# Altium PCB 75200_ctrl_407_v3.0.PcbDoc (part 2 of 2)
Units mil, origin at the board's own origin, x right, y up, seen from the top; angles counter-clockwise.
Board outline 3632.23 x 2372.43 mil, 4 copper layers (Top Layer, Signal Layer 1, Signal Layer 2, Bottom Layer), stack 30.634 mil thick; 152 components, 97 nets, 611 pads, 806 vias.
Unrouted connection lines stored in the file: 6.
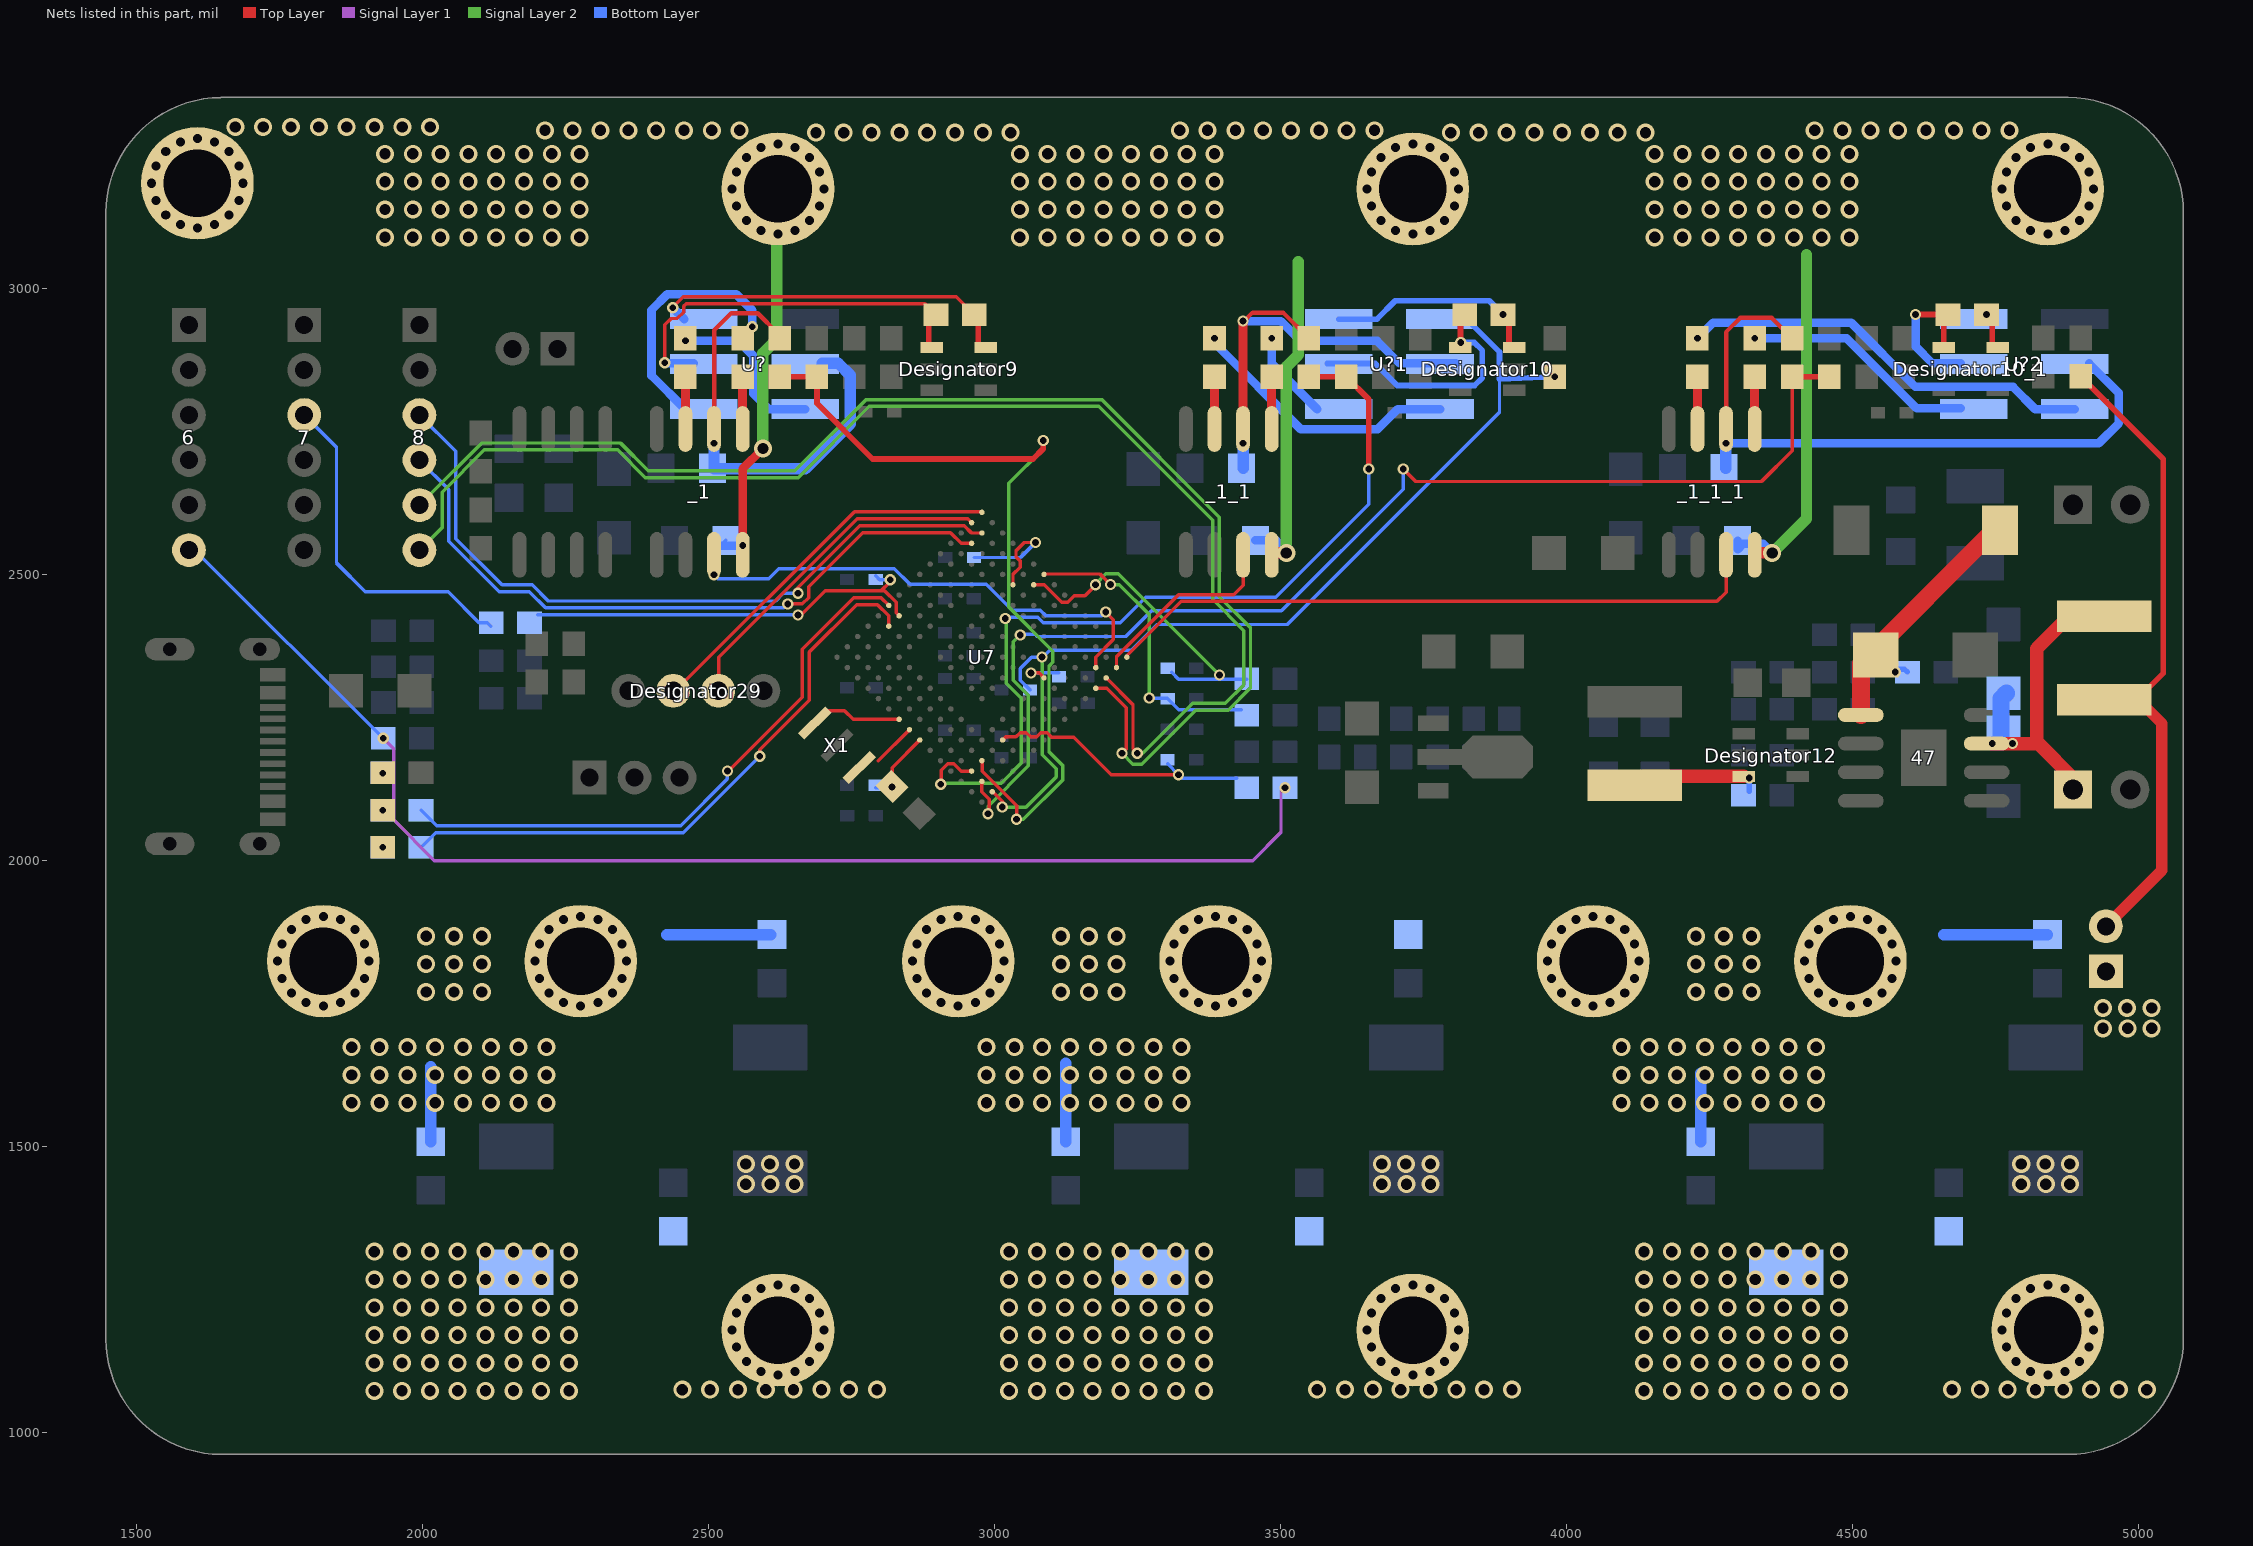
[diagram p4: the nets of this part, all layers, seen from the top]

## Via types
v1: diameter 31.5, hole 19.68, Top Layer to Bottom Layer, 453 vias
v2: diameter 19.68, hole 15.75, Top Layer to Bottom Layer, 208 vias
v3: diameter 19.68, hole 11.81, Top Layer to Bottom Layer, 145 vias

## Nets (pads, with @x,y where several pads share a name; then routed paths per layer and width w, separated by ;. In a path a pad name is that pad's centre, name@x,y a point inside that pad or via, vN(x,y) a via of type N, cw(c..) or ccw(c..) an arc to the next point about the centre after c; other vN are vias at no path point) (continued)
hall2: 38_1.2 Designator45.1 U7.G15 | length 529
  Top Layer w6: U7.G15@3086.95,2500.76 3087.7,2501.51 3184.8,2501.51 3195.84,2490.47 3195.84,2490.16 v3(3203,2483)
  Signal Layer 2 w6: v3(3203,2483) 3218.66,2483 3271,2430.66 v3(3271,2284.5)
  Bottom Layer w6: v3(3271,2284.5) 3302.2,2284.5 Designator45.1@3303.04,2283.67 3322.57,2264.13 38_1.2@3431.53,2264.13
hall3: 39_1.2 Designator43.1 U7.G14 | length 575.9
  Top Layer w6: U7.G14@3068.86,2482.67 3087.02,2482.67 3117.86,2451.82 3128.43,2451.82 3140.1,2463.5 3158.65,2463.5 3177,2481.85 v3(3177,2482.67)
  Signal Layer 2 w6: v3(3177,2482.67) 3177,2483.65 3195.2,2501.84 3216.78,2501.84 v3(3393.63,2325)
  Bottom Layer w6: Designator43.1@3310.04,2329.8 3322.04,2317.8 v3@3393.63,2317.8 ; v3(3393.63,2325) v3@3393.63,2317.8 ; 39_1.2@3441.2,2317.8 v3@3393.63,2317.8
L1: _1.3 U7.P13 | length 882.6
  Top Layer w6: U7.P13@3177.43,2337.91 3177.43,2356.06 3208.27,2386.91 3208.27,2421.73 v3(3195,2435)
  Top Layer w7.87: v3(2510,2500) _1.3@2510,2535
  Bottom Layer w6: v3(2510,2500) 2516.84,2493.16 2605.47,2493.16 2623.13,2510.82 2825.33,2510.82 2852.65,2483.5 2985.65,2483.5 3031.3,2437.84 3080.72,2437.84 3090.4,2428.16 3188.16,2428.16 v3(3195,2435)
L2: _1_1.3 U7.R14 | length 345.4
  Top Layer w6: U7.R14@3213.62,2337.9 3213.62,2357.13 3322.06,2465.57 3418.75,2465.57 3435,2481.82 _1_1.3@3435,2535
L3: _1_1_1.3 U7.R15 | length 1161.6
  Top Layer w6: U7.R15@3231.72,2356 3231.71,2358.25 3327.03,2453.57 4263.57,2453.57 4279.41,2469.41 _1_1_1.3@4279.41,2535
ledb: 3.1@1931,2153.61 3_1.1@1931,2153.61 44.1
  other v3: 1931,2153
ledg: 4.1 4_1.1 43.1
  other v3: 1931,2088.61
ledgreen: 43.2 U7.A6 | length 1062.4
  Top Layer w6: v3@2530.62,2151.94 2664.5,2285.82 2664.5,2370.12 2754.38,2460 2802,2460 U7.A6@2815.52,2446.48
  Bottom Layer w6: 43.2@1997.93,2088.61 2025.4,2061.13 2451.53,2061.13 2533.5,2143.1 v3(2533.5,2157.13)
ledr: 5.1@1931,2023.61 5_1.1@1931,2023.61 42.1
  other v3: 1931,2023.61
ledred: 42.2 U7.B5 | length 1075.8
  Top Layer w6: v3(2590,2182.63) 2590,2194.35 2676.5,2280.85 2676.5,2365.15 2759.35,2448 2795.84,2448 2815.52,2428.32 U7.B5@2815.52,2410.29
  Bottom Layer w6: 42.2@1997.93,2023.61 2023.45,2049.13 2456.51,2049.13 v3(2590,2182.63)
nrf_rx: 8.4 U7.B13 | length 1199.1
  Top Layer w6: v3(2639,2449.13) 2664.61,2449.13 2675.65,2460.17 2675.65,2479.52 2770.02,2573.89 2923.41,2573.89 2942.25,2555.05 U7.B13@2960.29,2555.05
  Bottom Layer w6: 8.4@1995,2700.69 2046.5,2649.19 2046.5,2558.42 2134.28,2470.63 2187.05,2470.63 2215.4,2442.29 2632.16,2442.29 v3(2639,2449.13)
nrf_tx: 8.3 U7.B14 | length 1274.3
  Top Layer w6: v3@2652,2468.56 2652,2472.84 2765.05,2585.89 2947.47,2585.89 2960.22,2573.14 U7.B14@2978.38,2573.14
  Bottom Layer w6: 8.3@1995,2779.43 2058.5,2715.93 2058.5,2563.39 2139.26,2482.63 2192.02,2482.63 2220.37,2454.29 2617.51,2454.29 2631.2,2467.98 v3(2656.81,2467.98)
nrst: 32.2 Designator47.1 U7.J1 | length 131.2
  Top Layer w6: 32.2@2821.34,2130 2821.34,2162.76 U7.J1@2869.81,2211.24
  Bottom Layer w6: Designator47.1@2792.5,2128.05 v3@2821.34,2128.05
  Bottom Layer w9: v3@2821.34,2128.05 v3(2821.34,2129.12)
pc6: 
pc7: 
pc8: 
PGND: 30.1 31.1 34.1 _1.4 _1_1.4 _1_1_1.4 _1_6.2@2530.74,2560.15 _1_7.2@3456.33,2560.15 _1_8.2@4299.74,2559.91 Designator9.3 Designator10.3 Designator10_1.3 pad.4@1606.85,3184.64 pad.4@2621.85,3174.64 pad.4@3731.85,3174.64 pad.4@4841.85,3174.64 U?1.2 U?2.2 U?.2 | length 4518.5
  Top Layer w6: v3@2437.49,2967.65 2456.11,2986.27 2933.82,2986.27 30.1@2965.09,2955
  Top Layer w10: 30.1@2965.09,2955 2971.92,2948.17 Designator9.3@2971.92,2897.4 ; Designator10.3@3900,2900 31.1@3900,2955 ; v3(4734.58,2955) 4745,2944.58 Designator10_1.3@4745,2900 ; pad.4@1669.85,3184.64 ccw(c1606.85,3184.64) pad.4@1669.85,3184.64 ; pad.4@2684.85,3174.64 ccw(c2621.85,3174.64) pad.4@2684.85,3174.64 ; pad.4@3794.85,3174.64 ccw(c3731.85,3174.64) pad.4@3794.85,3174.64 ; pad.4@4904.85,3174.64 ccw(c4841.85,3174.64) pad.4@4904.85,3174.64
  Top Layer w15: v3(2560.36,2551.08) 2560.36,2685.14 2560,2685.5 v1(2595.5,2721)
  Top Layer w20: _1_1.4@3488.24,2538.24 v1(3510.59,2538.24) v1@3515.59,2538.24 ; _1_1_1.4@4332.65,2538.24 v1(4360,2538.24)
  Signal Layer 2 w20: v1(2595.5,2721) 2595.5,2887.47 2620,2911.97 pad.4@2620,3079.5 ; v1@3510.59,2538.81 3510.59,2863.59 3531.5,2884.5 3531.5,3047.5 ; v1(4360,2538.24) 4420,2598.24 4420,3059.5
  Bottom Layer w6: _1_6.2@2521.67,2551.08 _1_6.2@2530.74,2560.15
  Bottom Layer w10: U?1.2@3602.09,2947.08 3668.95,2947.08 3701,2979.13 3865.44,2979.13 v3(3889.58,2955)
  Bottom Layer w15: v3(2438,2967.13) U?.2@2458.05,2947.08 ; _1_6.2@2521.67,2551.08 v3(2560.36,2551.08) ; _1_7.2@3456.33,2560.15 3493.09,2560.15 v1@3510.59,2538.81 ; _1_8.2@4299.74,2559.91 4299.74,2544.76 4308.98,2554 4344.24,2554 v1(4360,2538.24)
  other v1: 2565.5,1434.63 2608.5,1434.63 2650.5,1434.63 3677.5,1434.63 3720.5,1434.63 3762.5,1434.63 4795.5,1434.63 4838.5,1434.63 4880.5,1434.63 2565.5,1470.13 2607.5,1470.13 2650.5,1470.13 3677.5,1470.13 3719.5,1470.13 3762.5,1470.13 4795.5,1470.13 4837.5,1470.13 4880.5,1470.13 1934.65,3090.2 1983.29,3090.2 2031.93,3090.2 2080.57,3090.2 2129.22,3090.2 2177.86,3090.2 2226.5,3090.2 2275.15,3090.2 3044.65,3090.2 3093.29,3090.2 3141.93,3090.2 3190.57,3090.2 3239.22,3090.2 3287.86,3090.2 3336.5,3090.2 3385.15,3090.2 4154.65,3090.2 4203.29,3090.2 4251.93,3090.2 4300.57,3090.2 4349.22,3090.2 4397.86,3090.2 4446.5,3090.2 4495.15,3090.2 1934.65,3138.84 1983.29,3138.84 2031.93,3138.84 2080.57,3138.84 2129.22,3138.84 2177.86,3138.84 2226.5,3138.84 2275.15,3138.84 3044.65,3138.84 3093.29,3138.84 3141.93,3138.84 3190.57,3138.84 3239.22,3138.84 3287.86,3138.84 3336.5,3138.84 3385.15,3138.84 4154.65,3138.84 4203.29,3138.84 4251.93,3138.84 4300.57,3138.84 4349.22,3138.84 4397.86,3138.84 4446.5,3138.84 4495.15,3138.84 1934.65,3187.48 1983.29,3187.48 2031.93,3187.48 2080.57,3187.48 2129.22,3187.48 2177.86,3187.48 2226.5,3187.48 2275.15,3187.48 3044.65,3187.48 3093.29,3187.48 3141.93,3187.48 3190.57,3187.48 3239.22,3187.48 3287.86,3187.48 3336.5,3187.48 3385.15,3187.48 4154.65,3187.48 4203.29,3187.48 4251.93,3187.48 4300.57,3187.48 4349.22,3187.48 4397.86,3187.48 4446.5,3187.48 4495.15,3187.48 1934.65,3236.12 1983.29,3236.12 2031.93,3236.12 2080.57,3236.12 2129.22,3236.12 2177.86,3236.12 2226.5,3236.12 2275.15,3236.12 3044.65,3236.12 3093.29,3236.12 3141.93,3236.12 3190.57,3236.12 3239.22,3236.12 3287.86,3236.12 3336.5,3236.12 3385.15,3236.12 4154.65,3236.12 4203.29,3236.12 4251.93,3236.12 4300.57,3236.12 4349.22,3236.12 4397.86,3236.12 4446.5,3236.12 4495.15,3236.12 2688.15,3273.12 2736.79,3273.12 2785.43,3273.12 2834.07,3273.12 2882.72,3273.12 2931.36,3273.12 2980,3273.12 3028.65,3273.12 3798.15,3273.12 3846.79,3273.12 3895.43,3273.12 3944.07,3273.12 3992.72,3273.12 4041.36,3273.12 4090,3273.12 4138.65,3273.12 2214.29,3277.11 2262.94,3277.11 2311.58,3277.11 2360.22,3277.11 2408.86,3277.11 2457.51,3277.11 2506.15,3277.11 2554.79,3277.11 3324.29,3277.11 3372.94,3277.11 3421.58,3277.11 3470.22,3277.11 3518.86,3277.11 3567.51,3277.11 3616.15,3277.11 3664.79,3277.11 4434.29,3277.11 4482.94,3277.11 4531.58,3277.11 4580.22,3277.11 4628.86,3277.11 4677.51,3277.11 4726.15,3277.11 4774.79,3277.11 1673.15,3283.12 1721.79,3283.12 1770.43,3283.12 1819.07,3283.12 1867.72,3283.12 1916.36,3283.12 1965,3283.12 2013.65,3283.12
  other v2: 2621.85,3096.27 3731.85,3096.27 4841.85,3096.27 2591.86,3102.24 2651.84,3102.24 3701.86,3102.24 3761.84,3102.24 4811.86,3102.24 4871.84,3102.24 1606.85,3106.27 1576.86,3112.24 1636.84,3112.24 2566.44,3119.23 2677.27,3119.23 3676.44,3119.23 3787.27,3119.23 4786.44,3119.23 4897.27,3119.23 1551.44,3129.23 1662.27,3129.23 2549.45,3144.65 2694.26,3144.65 3659.45,3144.65 3804.26,3144.65 4769.45,3144.65 4914.26,3144.65 1534.45,3154.65 1679.26,3154.65 2541.85,3174.64 2701.85,3174.64 3651.85,3174.64 3811.85,3174.64 4761.85,3174.64 4921.85,3174.64 1526.85,3184.64 1686.85,3184.64 2549.45,3204.63 2694.26,3204.63 3659.45,3204.63 3804.26,3204.63 4769.45,3204.63 4914.26,3204.63 1534.45,3214.63 1679.26,3214.63 2566.44,3230.06 2677.27,3230.06 3676.44,3230.06 3787.27,3230.06 4786.44,3230.06 4897.27,3230.06 1551.44,3240.06 1662.27,3240.06 2591.86,3247.05 2651.84,3247.05 3701.86,3247.05 3761.84,3247.05 4811.86,3247.05 4871.84,3247.05 2621.85,3253.01 3731.85,3253.01 4841.85,3253.01 1576.86,3257.05 1636.84,3257.05 1606.85,3263.01
ppm: 7.3 51.1 | length 597.7
  Bottom Layer w6: 7.3@1793.5,2779.43 1850,2722.93 1850,2520.65 1900.42,2470.23 2045,2470.23 2099.07,2416.16 2113.69,2416.16 51.1@2119.71,2410.13
rc1: U7.G1 X1.3 | length 162.7
  Top Layer w6: X1.3@2707.47,2262.4 2738.1,2262.4 2753.07,2247.43 U7.G1@2833.62,2247.43
  Top Layer w7.87: X1.3@2686.03,2240.95 X1.3@2707.47,2262.4
rc2: U7.H1 X1.1 | length 76.8
  Top Layer w6: 2797.38,2175 U7.H1@2851.72,2229.33
rx: 8.6 U7.R13 | length 2352.6
  Top Layer w6: U7.R13@3195.52,2319.81 3242.5,2272.83 3242.5,2195.5 v3(3250,2188)
  Signal Layer 2 w6: 8.6@2003.49,2536.65 2010.05,2543.21 2010.05,2558.26 2034.5,2582.71 2034.5,2644.48 2108.52,2718.5 2341.5,2718.5 2390.05,2669.95 2657.05,2669.95 2781.6,2794.5 3182.66,2794.5 3381.63,2595.53 3381.63,2456.98 3436,2402.61 3436,2307.47 3404.03,2275.5 3347.18,2275.5 3260.68,2189 v3@3250,2189
S1: 7.1@2625,2846.54 8.1@2690,2846.54 U7.N3 | length 1473.7
  Top Layer w6: U7.N3@2978.38,2175.05 2978.91,2175.58 2978.91,2156.49 3039,2096.4 v3(3039,2072.5)
  Top Layer w10: 7.1@2625,2846.54 8.1@2690,2846.54 2690,2800 2787.34,2702.66 3067.6,2702.66 3085.5,2720.56 v3(3085.5,2735)
  Signal Layer 2 w6: v3(3039,2072.5) 3050.97,2072.5 3120.07,2141.6 3120.07,2166.04 3095.63,2190.49 3095.63,2340.53 3102.47,2347.38 3102.47,2366.68 3025.3,2443.84 3025.3,2659.8 3085.5,2720 v3(3085.5,2735) ; v3@3089.15,2732.5 v3@3092,2732.5
S2: 9.1 10.1 U7.N2 | length 1538.9
  Top Layer w6: v3(2906.61,2134) 2907.16,2134.55 2907.16,2158.05 2918.81,2169.7 2929.38,2169.7 2942.13,2156.95 U7.N2@2960.29,2156.95
  Top Layer w10: 9.1@3550,2846.54 10.1@3615,2846.54 3654.69,2806.85 v3(3654.69,2685)
  Signal Layer 2 w6: v3(2906.61,2134) 2908.45,2135.84 3012.28,2135.84 3047.5,2171.06 3047.5,2284.41 3021.16,2310.75 3021.16,2421.34 v3(3019,2423.5)
  Bottom Layer w6: v3(3019,2423.5) 3021.34,2425.84 3075.75,2425.84 3085.43,2416.16 3219.92,2416.16 3264.92,2461.16 3492.22,2461.16 3654.69,2623.63 v3(3654.69,2685)
S3: 11.1 12.1 U7.P2 | length 2136
  Top Layer w6: U7.P2@2978.38,2138.86 2978.38,2120.83 2991.5,2107.71 v3@2991.5,2085 ; v3(3715,2685) 3736.84,2663.16 4341.4,2663.16 4395,2716.76 11.1@4395,2846.54
  Top Layer w10: 11.1@4395,2846.54 12.1@4460,2846.54
  Signal Layer 2 w6: v3@2989.2,2085 2989.2,2095.78 3059.5,2166.09 3059.5,2289.38 3033.16,2315.72 3033.16,2382.66 v3(3045.5,2395)
  Bottom Layer w6: v3(3045.5,2395) 3048.34,2392.16 3052.03,2395.84 3071.8,2395.84 3075.49,2392.16 3229.86,2392.16 3274.86,2437.16 3502.16,2437.16 3715,2650 v3(3715,2685)
  other v3: 2989.2,2082.5
servo: 51.2 Designator33.1 U7.B6 | length 732.5
  Top Layer w6: v3(2656.81,2430) 2662.84,2430 2704.84,2472 2802,2472 ; v3(2818,2491.5) 2818,2488 2802,2472 ; U7.B6@2833.62,2428.38 2828.27,2433.73 2828.27,2451.76 2808.03,2472 2802,2472
  Bottom Layer w6: 51.2@2201.6,2430.29 v3@2656.81,2430.29 ; Designator33.1@2792.5,2498.32 2799.32,2491.5 v3(2818,2491.5)
sw1: 13.1 14.2 47.5 _2.1@4596.54,2330 | length 453.8
  Top Layer w31.5: 47.5@4515,2255 4515,2345 4748,2578 13.1@4758.67,2578
  Bottom Layer w9: _2.1@4575,2335 4591.54,2335 _2.1@4596.54,2330
  other v3: 4575,2330
sw2: 16.1 19.2 Designator12.6 | length 198
  Top Layer w23.62: 16.1@4135.43,2147.6 Designator12.6@4310,2147.6
  Bottom Layer w10: 19.2@4320,2121.54 v3(4320,2145)
swclk: Designator29.3 U7.A14 | length 603.8
  Top Layer w6: Designator29.3@2517.95,2297.36 2517.95,2355.77 2760.08,2597.89 2953.63,2597.89 U7.A14@2960.29,2591.24
swdio: Designator29.2 U7.A15 | length 670.3
  Top Layer w6: Designator29.2@2438.8,2297.36 2442.57,2297.36 2755.61,2610.39 2978.38,2610.39 U7.A15@2978.38,2609.33
tm: 49.2 Designator34.1 U7.N5 | length 481
  Top Layer w6: U7.N5@3014.57,2211.24 3019.92,2216.58 3037.95,2216.58 3045.35,2223.99 3056.04,2223.99 3063.45,2216.58 3074.14,2216.58 3081.54,2223.99 3092.36,2223.99 3100.02,2216.33 3138.67,2216.33 3204.37,2150.63 v3(3322,2150.63)
  Bottom Layer w6: Designator34.1@3303,2169.63 v3(3322,2150.63) 3328.5,2144.13 49.2@3424.2,2144.13
tmos: 21_2.1 Designator41.2 U7.R2 U?1.1 | length 1718.5
  Top Layer w6: U7.R2@2996.48,2120.76 2997.66,2120.76 3015,2103.43 3014.04,2102.47 v3(3014.04,2093.98)
  Signal Layer 2 w6: v3(3014.04,2093.98) 3055.48,2093.98 3108.07,2146.57 3108.07,2161.07 3083.63,2185.52 v3@3083.63,2355.18
  Bottom Layer w6: Designator41.2@3062.52,2298.67 3045.16,2316.03 3045.16,2336.3 3065.03,2356.18 v3(3083.63,2356.18) 3084.63,2356.18 3096.6,2368.16 3239.8,2368.16 3284.8,2413.16 3512.1,2413.16 3883.34,2784.4 3883.34,2842.23
  Bottom Layer w10: U?1.1@3828.42,2944.71 3883.34,2889.79 3883.34,2842.23 v3(3980,2846.54)
tmot: 6.6 36.2 49.1 | length 2297.2
  Signal Layer 1 w6: v3(1931.54,2214.13) 1949.84,2195.83 1949.84,2071.66 2021,2000.5 3451.63,2000.5 3501.29,2050.16 3501.29,2120.79 v3(3508.13,2127.63)
  Bottom Layer w6: 6.6@1602.46,2543.21 v3(1931.54,2214.13)
tx: 8.5 U7.R12 | length 2346.6
  Top Layer w6: U7.R12@3177.43,2301.71 3196.65,2301.71 3230.5,2267.86 3230.5,2195.15 3223.5,2188.15 v3(3223.5,2188)
  Signal Layer 2 w6: 8.5@2003.49,2630.44 2103.55,2730.5 2346.47,2730.5 2395.02,2681.95 2651.4,2681.95 2775.95,2806.5 3187.63,2806.5 3393.63,2600.5 3393.63,2461.95 3448,2407.58 3448,2302.5 3409,2263.5 3352.15,2263.5 3257.8,2169.16 3242.2,2169.16 3223.5,2187.85 v3(3223.5,2188)
U: 7.2@2625,2913.46 _1.6 _1_6.2@2507,2686.13 U?.3 | length 797.6
  Top Layer w7.87: _1.6@2510,2755 2510,2927.63 2539.7,2957.33 2586.53,2957.33 2621.05,2922.81 7.2@2621.05,2913.46
  Top Layer w15.75: _1.6@2510,2735 _1.6@2510,2755
  Bottom Layer w20: v3@2510,2729.5 2510,2685.25 2669.77,2685.25 2748.31,2763.8 2748.31,2848.82 2727.49,2869.64 U?.3@2699.06,2869.64
  other v3: 2510,2730
u_h: 3.1@2460,2846.54 _1.7 | length 111.5
  Top Layer w15.75: _1.7@2460,2735 3.1@2460,2846.54
u_l: 5.1@2560,2846.54 _1.5 | length 111.5
  Top Layer w15.75: _1.5@2560,2735 5.1@2560,2846.54
uh: 3.2@2460,2913.46 U?.5 | length 297.6
  Bottom Layer w15: v3(2460,2909.46) 2552.3,2909.46 2578.58,2883.18 2578.58,2817.05 2606.03,2789.6 U?.5@2669.26,2789.6
ul: 5.2@2560,2913.46 U?.6 | length 425.7
  Bottom Layer w15: U?.6@2459.53,2789.6 2400.66,2848.47 2400.66,2962.8 2428.33,2990.48 2548.93,2990.48 2576.68,2962.72 v3(2576.68,2933.56)
UR: 30.2 Designator9.4 U?.4 | length 687.5
  Top Layer w6: v3(2424,2870.63) 2424,2937.19 2434.93,2948.12 2445.63,2948.12 ; 2445.8,2948.29 2456.84,2959.33 2456.84,2970.03 2461.08,2974.27 2878.89,2974.27 30.2@2898.16,2955
  Top Layer w7.87: Designator9.4@2880,2897.4 Designator9.4@2885.34,2902.74
  Top Layer w10: Designator9.4@2885.34,2902.74 30.2@2885.34,2962.5
  Bottom Layer w15: v3@2424.52,2869.64 U?.4@2474.65,2869.64
UU: Designator47_2.1 Designator47_3.1 pad.4@1826.85,1824.64 pad.4@2276.85,1824.64 | length 1103.4
  Top Layer w10: pad.4@1889.85,1824.64 ccw(c1826.85,1824.64) pad.4@1889.85,1824.64 ; pad.4@2339.85,1824.64 ccw(c2276.85,1824.64) pad.4@2339.85,1824.64
  Bottom Layer w20: Designator47_2.1@2015,1509.13 2015,1639.63 ; 2427.5,1871.13 Designator47_3.1@2608.85,1871.13
  other v1: 1876.5,1576.85 1925.14,1576.85 1973.79,1576.85 2022.43,1576.85 2071.07,1576.85 2119.71,1576.85 2168.36,1576.85 2217,1576.85 1876.5,1625.49 1925.14,1625.49 1973.79,1625.49 2022.43,1625.49 2071.07,1625.49 2119.71,1625.49 2168.36,1625.49 2217,1625.49 1876.5,1674.13 1925.14,1674.13 1973.79,1674.13 2022.43,1674.13 2071.07,1674.13 2119.71,1674.13 2168.36,1674.13 2217,1674.13 2006.71,1770.85 2055.36,1770.85 2104,1770.85 2006.71,1819.49 2055.36,1819.49 2104,1819.49 2006.71,1868.13 2055.36,1868.13 2104,1868.13
  other v2: 1826.85,1746.27 2276.85,1746.27 1796.86,1752.24 1856.84,1752.24 2246.86,1752.24 2306.84,1752.24 1771.44,1769.23 1882.27,1769.23 2221.44,1769.23 2332.27,1769.23 1754.45,1794.65 1899.26,1794.65 2204.45,1794.65 2349.26,1794.65 1746.85,1824.64 1906.85,1824.64 2196.85,1824.64 2356.85,1824.64 1754.45,1854.63 1899.26,1854.63 2204.45,1854.63 2349.26,1854.63 1771.44,1880.06 1882.27,1880.06 2221.44,1880.06 2332.27,1880.06 1796.86,1897.05 1856.84,1897.05 2246.86,1897.05 2306.84,1897.05 1826.85,1903.01 2276.85,1903.01
V: 9.2 _1_1.6 _1_7.2@3432.59,2686.13 U?1.3 | length 1120.9
  Top Layer w7.87: 3451.5,2958.63 3504.83,2958.63 ; 3451.5,2958.63 3435,2942.13 3451.5,2958.63 ; 3451.5,2958.63 3504.83,2958.63 ; 3504.83,2958.63 9.2@3550,2913.46 3504.83,2958.63
  Top Layer w15.75: _1_1.6@3435,2735 _1_1.6@3435,2755 ; _1_1.6@3435,2755 3435,2942.13 _1_1.6@3435,2755
  Bottom Layer w15: v3(3435,2943.63) 3500.69,2943.63 3535.26,2909.06 3669.15,2909.06 3708.58,2869.64 U?1.3@3806.56,2869.64
  Bottom Layer w20: _1_7.2@3435.59,2686.13 v3@3435.59,2729.5
  other v3: 3435,2730 3435,2943.63 3435,2943.63
v_h: 3_1.1@3385,2846.54 _1_1.7 | length 111.5
  Top Layer w15.75: _1_1.7@3385,2735 3_1.1@3385,2846.54
v_l: 5_1.1@3485,2846.54 _1_1.5 | length 111.5
  Top Layer w15.75: _1_1.5@3485,2735 5_1.1@3485,2846.54
vb: 26_1.1 47.3 _1_1_2.2 _1_1_3.1 Designator75.1 | length 553.4
  Top Layer w6: 47.3@4735,2205 v3(4745,2205)
  Top Layer w23.62: 4790,2205 v3(4780,2205) v3(4745,2205) 4825.63,2205 Designator75.1@4887,2143.63 ; 4822.5,2208.13 4822.5,2371.13 26_1.1@4871.83,2420.47
  Bottom Layer w20: v3(4745,2205) _1_1_3.1@4760,2220
  Bottom Layer w30: _1_1_3.1@4760,2220 4760,2283.66 _1_1_2.2@4769.41,2293.07
VBAT: 26_1.2 29_1.2 Designator47_3_3.2 Designator47_3_4.2 Designator47_3_5.2 Designator63.1 Designator63.2 pad.4@2621.85,1179.64 pad.4@3731.85,1179.64 pad.4@4841.85,1179.64 R11_1_1.1 R11_1_2.1 | length 2259
  Top Layer w10: 29_1.2@4899.5,2846.54 5044,2702.04 5044,2328.13 26_1.2@4998.75,2282.88 ; pad.4@2684.85,1179.64 ccw(c2621.85,1179.64) pad.4@2684.85,1179.64 ; pad.4@3794.85,1179.64 ccw(c3731.85,1179.64) pad.4@3794.85,1179.64 ; pad.4@4904.85,1179.64 ccw(c4841.85,1179.64) pad.4@4904.85,1179.64
  Top Layer w20: Designator63.2@4962.06,1904.07 5041.5,1983.5 5041.5,2240.13 26_1.2@4998.75,2282.88
  other v1: 1916,1073.42 1964.64,1073.42 2013.29,1073.42 2061.93,1073.42 2110.57,1073.42 2159.21,1073.42 2207.86,1073.42 2256.5,1073.42 3026,1073.42 3074.64,1073.42 3123.29,1073.42 3171.93,1073.42 3220.57,1073.42 3269.21,1073.42 3317.86,1073.42 3366.5,1073.42 4136,1073.42 4184.64,1073.42 4233.29,1073.42 4281.93,1073.42 4330.57,1073.42 4379.21,1073.42 4427.86,1073.42 4476.5,1073.42 2454.5,1075.28 2503.14,1075.28 2551.79,1075.28 2600.43,1075.28 2649.07,1075.28 2697.71,1075.28 2746.36,1075.28 2795,1075.28 3564.5,1075.28 3613.14,1075.28 3661.79,1075.28 3710.43,1075.28 3759.07,1075.28 3807.71,1075.28 3856.36,1075.28 3905,1075.28 4674.5,1075.28 4723.14,1075.28 4771.79,1075.28 4820.43,1075.28 4869.07,1075.28 4917.71,1075.28 4966.36,1075.28 5015,1075.28 1916,1122.07 1964.64,1122.07 2013.29,1122.07 2061.93,1122.07 2110.57,1122.07 2159.21,1122.07 2207.86,1122.07 2256.5,1122.07 3026,1122.07 3074.64,1122.07 3123.29,1122.07 3171.93,1122.07 3220.57,1122.07 3269.21,1122.07 3317.86,1122.07 3366.5,1122.07 4136,1122.07 4184.64,1122.07 4233.29,1122.07 4281.93,1122.07 4330.57,1122.07 4379.21,1122.07 4427.86,1122.07 4476.5,1122.07 1916,1170.71 1964.64,1170.71 2013.29,1170.71 2061.93,1170.71 2110.57,1170.71 2159.21,1170.71 2207.86,1170.71 2256.5,1170.71 3026,1170.71 3074.64,1170.71 3123.29,1170.71 3171.93,1170.71 3220.57,1170.71 3269.21,1170.71 3317.86,1170.71 3366.5,1170.71 4136,1170.71 4184.64,1170.71 4233.29,1170.71 4281.93,1170.71 4330.57,1170.71 4379.21,1170.71 4427.86,1170.71 4476.5,1170.71 1916,1219.35 1964.64,1219.35 2013.29,1219.35 2061.93,1219.35 2110.57,1219.35 2159.21,1219.35 2207.86,1219.35 2256.5,1219.35 3026,1219.35 3074.64,1219.35 3123.29,1219.35 3171.93,1219.35 3220.57,1219.35 3269.21,1219.35 3317.86,1219.35 3366.5,1219.35 4136,1219.35 4184.64,1219.35 4233.29,1219.35 4281.93,1219.35 4330.57,1219.35 4379.21,1219.35 4427.86,1219.35 4476.5,1219.35 1916,1268 1964.64,1268 2013.29,1268 2061.93,1268 2110.57,1268 2159.21,1268 2207.86,1268 2256.5,1268 3026,1268 3074.64,1268 3123.29,1268 3171.93,1268 3220.57,1268 3269.21,1268 3317.86,1268 3366.5,1268 4136,1268 4184.64,1268 4233.29,1268 4281.93,1268 4330.57,1268 4379.21,1268 4427.86,1268 4476.5,1268 1916,1316.64 1964.64,1316.64 2013.29,1316.64 2061.93,1316.64 2110.57,1316.64 2159.21,1316.64 2207.86,1316.64 2256.5,1316.64 3026,1316.64 3074.64,1316.64 3123.29,1316.64 3171.93,1316.64 3220.57,1316.64 3269.21,1316.64 3317.86,1316.64 3366.5,1316.64 4136,1316.64 4184.64,1316.64 4233.29,1316.64 4281.93,1316.64 4330.57,1316.64 4379.21,1316.64 4427.86,1316.64 4476.5,1316.64 4938.5,1707.13 4981.5,1707.13 5023.5,1707.13 4938.5,1742.63 4980.5,1742.63 5023.5,1742.63
  other v2: 2621.85,1101.27 3731.85,1101.27 4841.85,1101.27 2591.86,1107.24 2651.84,1107.24 3701.86,1107.24 3761.84,1107.24 4811.86,1107.24 4871.84,1107.24 2566.44,1124.23 2677.27,1124.23 3676.44,1124.23 3787.27,1124.23 4786.44,1124.23 4897.27,1124.23 2549.45,1149.65 2694.26,1149.65 3659.45,1149.65 3804.26,1149.65 4769.45,1149.65 4914.26,1149.65 2541.85,1179.64 2701.85,1179.64 3651.85,1179.64 3811.85,1179.64 4761.85,1179.64 4921.85,1179.64 2549.45,1209.63 2694.26,1209.63 3659.45,1209.63 3804.26,1209.63 4769.45,1209.63 4914.26,1209.63 2566.44,1235.06 2677.27,1235.06 3676.44,1235.06 3787.27,1235.06 4786.44,1235.06 4897.27,1235.06 2591.86,1252.05 2651.84,1252.05 3701.86,1252.05 3761.84,1252.05 4811.86,1252.05 4871.84,1252.05 2621.85,1258.01 3731.85,1258.01 4841.85,1258.01
vcap1: Designator21.2 U7.M10 | length 75.6
  Top Layer w6: v3(3064,2328.5) 3078.26,2328.5 U7.M10@3086.95,2319.81
  Bottom Layer w6: v3(3064,2328.5) Designator21.2@3113,2328.5
vcap2: Designator20.1 U7.F13 | length 226.2
  Top Layer w6: U7.F13@3032.67,2482.67 3032.67,2500.83 3045.42,2513.58 3045.42,2524.27 3038.01,2531.67 3038.01,2542.23 3052.28,2556.5 v3(3072,2556.5)
  Bottom Layer w6: Designator20.1@2964.48,2530.33 3045.83,2530.33 v3(3072,2556.5)
vh: 3_1.2@3385,2913.46 U?1.5 | length 471.2
  Bottom Layer w15: v3@3385,2905.37 3535.79,2754.58 3670.17,2754.58 3705.19,2789.6 U?1.5@3779.26,2789.6
  other v3: 3385,2913.46
vl: 5_1.2@3485,2913.46 U?1.6 | length 156.8
  Bottom Layer w15: v3(3485,2913.46) 3485,2869.13 U?1.6@3564.53,2789.6
VR: 31.2 Designator10.4 U?1.4 | length 453.9
  Top Layer w10: Designator10.4@3805,2895 3815,2905 31.2@3815,2961
  Bottom Layer w10: U?1.4@3582.15,2869.64 3665.99,2869.64 3704.5,2831.13 3839.84,2831.13 3853.31,2844.61 3853.31,2892.08 3839.26,2906.13 v3(3815.5,2906.13)
VV: Designator47_1.1@3125,1509.13 Designator47_3_1.1 pad.4@2936.85,1824.64 pad.4@3386.85,1824.64 | length 928.6
  Top Layer w10: pad.4@2999.85,1824.64 ccw(c2936.85,1824.64) pad.4@2999.85,1824.64 ; pad.4@3449.85,1824.64 ccw(c3386.85,1824.64) pad.4@3449.85,1824.64
  Bottom Layer w20: Designator47_1.1@3125,1509.13 3125,1646.13
  other v1: 2986.5,1576.85 3035.14,1576.85 3083.79,1576.85 3132.43,1576.85 3181.07,1576.85 3229.71,1576.85 3278.36,1576.85 3327,1576.85 2986.5,1625.49 3035.14,1625.49 3083.79,1625.49 3132.43,1625.49 3181.07,1625.49 3229.71,1625.49 3278.36,1625.49 3327,1625.49 3327,1625.49 2986.5,1674.13 3035.14,1674.13 3083.79,1674.13 3132.43,1674.13 3181.07,1674.13 3229.71,1674.13 3278.36,1674.13 3327,1674.13 3116.71,1770.85 3165.36,1770.85 3214,1770.85 3116.71,1819.49 3165.36,1819.49 3214,1819.49 3116.71,1868.13 3165.36,1868.13 3214,1868.13
  other v2: 2936.85,1746.27 3386.85,1746.27 2906.86,1752.24 2966.84,1752.24 3356.86,1752.24 3416.84,1752.24 2881.44,1769.23 2992.27,1769.23 3331.44,1769.23 3442.27,1769.23 2864.45,1794.65 3009.26,1794.65 3314.45,1794.65 3459.26,1794.65 2856.85,1824.64 3016.85,1824.64 3306.85,1824.64 3466.85,1824.64 2864.45,1854.63 3009.26,1854.63 3314.45,1854.63 3459.26,1854.63 2881.44,1880.06 2992.27,1880.06 3331.44,1880.06 3442.27,1880.06 2906.86,1897.05 2966.84,1897.05 3356.86,1897.05 3416.84,1897.05 2936.85,1903.01 3386.85,1903.01
W: 11.2 _1_1_1.6 _1_8.2@4276,2685.89 U?2.3 | length 1200.5
  Top Layer w7.87: _1_1_1.6@4279.41,2755 4279.41,2924.51 4303.95,2949.06 4359.41,2949.06 11.2@4395,2913.46
  Top Layer w15.75: _1_1_1.6@4279.41,2735 _1_1_1.6@4279.41,2755
  Bottom Layer w15: v3(4279.41,2730) 4930.98,2730 4965.81,2764.84 4965.81,2817.89 U?2.3@4914.06,2869.64
  Bottom Layer w20: _1_8.2@4279,2685.89 v3@4279,2729.26
w_h: 3_1_1.1 _1_1_1.7 | length 111.5
  Top Layer w15.75: _1_1_1.7@4229.41,2735 3_1_1.1@4229.41,2846.54
w_l: 5_1_1.1 _1_1_1.5 | length 111.5
  Top Layer w15.75: _1_1_1.5@4329.41,2735 5_1_1.1@4329.41,2846.54
wh: 3_1_1.2 U?2.5 | length 733.8
  Bottom Layer w15: v3(4229.41,2913.46) 4256.75,2940.81 4498.36,2940.81 4610.54,2828.63 4781,2828.63 4820.03,2789.6 U?2.5@4889.26,2789.6
wl: 5_1_1.2 U?2.6 | length 410.9
  Bottom Layer w15: v3(4329.41,2913.46) 4490.17,2913.46 4612.5,2791.13 U?2.6@4689.65,2791.13
WR: 34.2 Designator10_1.4 U?2.4 | length 254
  Top Layer w10: v3(4610.5,2955.13) 34.2@4660,2955.13 ; Designator10_1.4@4660,2897.4 34.2@4660,2955
  Bottom Layer w15: v3@4611,2955.13 4611,2899.13 4640.49,2869.64 U?2.4@4689.65,2869.64
WW: Designator47_1.1@4235,1509.13 Designator47_3_2.1 pad.4@4046.85,1824.64 pad.4@4496.85,1824.64 | length 1092.4
  Top Layer w10: pad.4@4109.85,1824.64 ccw(c4046.85,1824.64) pad.4@4109.85,1824.64 ; pad.4@4559.85,1824.64 ccw(c4496.85,1824.64) pad.4@4559.85,1824.64
  Bottom Layer w20: Designator47_1.1@4235,1509.13 v1@4235,1628.63 ; 4660,1871.13 Designator47_3_2.1@4841.35,1871.13
  other v1: 4096.5,1576.85 4145.14,1576.85 4193.79,1576.85 4242.43,1576.85 4291.07,1576.85 4339.71,1576.85 4388.36,1576.85 4437,1576.85 4096.5,1625.49 4145.14,1625.49 4193.79,1625.49 4242.43,1625.49 4291.07,1625.49 4339.71,1625.49 4388.36,1625.49 4437,1625.49 4437,1625.49 4096.5,1674.13 4145.14,1674.13 4193.79,1674.13 4242.43,1674.13 4291.07,1674.13 4339.71,1674.13 4388.36,1674.13 4437,1674.13 4226.71,1770.85 4275.36,1770.85 4324,1770.85 4226.71,1819.49 4275.36,1819.49 4324,1819.49 4226.71,1868.13 4275.36,1868.13 4324,1868.13
  other v2: 4046.85,1746.27 4496.85,1746.27 4016.86,1752.24 4076.84,1752.24 4466.86,1752.24 4526.84,1752.24 3991.44,1769.23 4102.27,1769.23 4441.44,1769.23 4552.27,1769.23 3974.45,1794.65 4119.26,1794.65 4424.45,1794.65 4569.26,1794.65 3966.85,1824.64 4126.85,1824.64 4416.85,1824.64 4576.85,1824.64 3974.45,1854.63 4119.26,1854.63 4424.45,1854.63 4569.26,1854.63 3991.44,1880.06 4102.27,1880.06 4441.44,1880.06 4552.27,1880.06 4016.86,1897.05 4076.84,1897.05 4466.86,1897.05 4526.84,1897.05 4046.85,1903.01 4496.85,1903.01
pads on no net: 25.1 27.1 47.2 _3.5 Designator47_1.2 Designator47_2.2 Designator47_3.2 Designator47_3_1.2 Designator47_3_2.2 Designator47_3_3.1 Designator47_3_4.1 Designator47_3_5.1 R11_1_1.2 R11_1_2.2 R11_1_3.1 R11_1_3.2 R11_1_3_1.1 R11_1_3_1.2 R11_1_3_2.1 R11_1_3_2.2 U7.A1 U7.A2 U7.A3 U7.A4 U7.A7 U7.A8 U7.A9 U7.A10 U7.A11 U7.A12 U7.A13 U7.B1 U7.B2 U7.B3 U7.B7 U7.B8 U7.B9 U7.B10 U7.B11 U7.B12 U7.C2 U7.C3 U7.C4 U7.C10 U7.C11 U7.C12 U7.C13 U7.C14 U7.D1 U7.D2 U7.D3 U7.D4 U7.D10 U7.D11 U7.D12 U7.D13 U7.D14 U7.E1 U7.E2 U7.E3 U7.E4 U7.E12 U7.E13 U7.E14 U7.F1 U7.F4 U7.F14 U7.G4 U7.H2 U7.H3 U7.H4 U7.H14 U7.J2 U7.J3 U7.J4 U7.J14 U7.J15 U7.K1 U7.K2 U7.K3 U7.K12 U7.K13 U7.K14 U7.K15 U7.L1 U7.L2 U7.L3 U7.L12 U7.L13 U7.L14 U7.L15 U7.M6 U7.M7 U7.M11 U7.M12 U7.M13 U7.M14 U7.M15 U7.N4 U7.N6 U7.N7 U7.N11 U7.N12 U7.N13 U7.N14 U7.N15 U7.P5 U7.P6 U7.P7 U7.P8 U7.P9 U7.P10 U7.P11 U7.P12 U7.P14 U7.P15 U7.R3 U7.R4 U7.R5 U7.R6 U7.R7 U7.R8 U7.R9 U7.R10 U7.R11 USB?.A5 USB?.A8 USB?.B5 USB?.B8
copper on no net: | length 1409.5
  Top Layer w6: 1735.03,2228.94 1735.87,2228.1 ; 1791.76,2169.89 1796,2169.89
  Bottom Layer w6: 3296.04,2329.8 3310.04,2329.8
  Bottom Layer w30: 2015,1424.13 2088,1424.13 2164.5,1500.63 ; 2438.5,1437.13 2608.5,1437.13 ; 2611.35,1673.98 2611.35,1786.13 ; 3125,1424.13 3198,1424.13 3274.5,1500.63 ; 3550.5,1437.13 3720,1437.13 3720.5,1437.13 ; 3723.85,1673.98 3723.85,1786.13 ; 4235,1424.13 4308,1424.13 4384.5,1500.63 ; 4668.5,1437.13 4838.5,1437.13 ; 4841.35,1673.98 4841.35,1786.13

## Polygon pours and split planes (outlines as drawn)
PGND on Top Layer "Top Layer-PGND" (solid, pour order 152): 5099.5,3358.13 1435.5,3358.13 1435.5,2999.13 5099.5,2999.13
GND on Top Layer "Top Layer-GND" (solid, pour order 158): 1462.5,2405.13 1462.5,1995.13 1750.5,1995.13 1750.5,2405.13
WW on Top Layer "Top Layer-WW" (solid, pour order 124): 4757.5,1969.63 3788.5,1969.63 3788.5,1415.83 4757.5,1415.83
VV on Top Layer "Top Layer-WW" (solid, pour order 122): 3650,1969.63 2681,1969.63 2681,1415.83 3650,1415.83
UU on Top Layer "Top Layer-WW" (solid, pour order 120): 2537.5,1969.63 1568.5,1969.63 1568.5,1415.83 2537.5,1415.83
VBAT on Top Layer "Bottom Layer-VBAT" (solid, pour order 118): 4921,1405.63 4921,1838.63 5088.5,1838.63 5088.5,928.13 1429,928.13 1429,1405.63
3v3 on Top Layer "Top Layer-3v3" (solid, remove dead copper, pour order 112): 2685.08,2312.42 2685.08,2337.58 2685.75,2337.75 2978.5,2630.5 3242.36,2366.64 2936.61,2060.89 2925.61,2049.89 2867.5,2051 2839,2079.5 2863.33,2103.83 2863.33,2134.17
GND on Top Layer "Top Layer-GND 1" (solid, remove dead copper, pour order 106): 3010.02,2470.48 3010.25,2483.25 2985,2508.5 2845.25,2368.75 2928.3,2285.7 2989.06,2224.94 3128.81,2364.69 3087.07,2406.43 3088,2407.95 3085.67,2410.29 3077.21,2410.29 3077.21,2411.89 3061.9,2427.21 3053.29,2427.21
no net on Top Layer "Top Layer-No Net" (solid, pour order 6): 3570,2963.57
GND on Bottom Layer "Bottom Layer-GND" (solid, remove dead copper, pour order 164): 1428.5,3014.13 1428.5,1983.63 5102,1983.63 5102,3014.13
PGND on Bottom Layer "Top Layer-PGND" (solid, pour order 154): 5113,3387.63 1428.5,3387.63 1428.5,3020.63 5113,3020.63
VBAT on Bottom Layer "Bottom Layer-VBAT" (solid, pour order 132): 4920.5,1377.13 4920.5,1838.63 5097,1838.63 5097,940.63 1426.5,940.63 1426.5,1377.13
UU on Bottom Layer "Top Layer-WW" (solid, pour order 130): 2040,1556.13 2040,1484.63 2039.5,1484.13 1989.5,1484.13 1917,1556.13 1575.5,1556.13 1575.5,1969.63 2534,1969.63 2562,1969.63 2637,1894.63 2636.5,1894.13 2636.5,1846.13 2534.5,1846.13 2534,1846.63 2534,1556.13
VV on Bottom Layer "Top Layer-WW" (solid, pour order 128): 3150,1556.13 3150,1484.63 3149.5,1484.13 3099.5,1484.13 3027,1556.13 2685.5,1556.13 2685.5,1969.63 3644,1969.63 3672,1969.63 3747,1894.63 3746.5,1894.13 3746.5,1846.13 3644.5,1846.13 3644,1846.63 3644,1556.13
WW on Bottom Layer "Top Layer-WW" (solid, pour order 126): 4260,1556.13 4260,1484.63 4259.5,1484.13 4209.5,1484.13 4137,1556.13 3795.5,1556.13 3795.5,1969.63 4754,1969.63 4782,1969.63 4857,1894.63 4856.5,1894.13 4856.5,1846.13 4754.5,1846.13 4754,1846.63 4754,1556.13
no net on Bottom Layer "Bottom Layer-No Net 1" (solid, pour order 94): 2279.92,3065
no net on Bottom Layer "Bottom Layer-No Net" (solid, pour order 20): 4714.65,2179.79
GND on Signal Layer 1 "Bottom Layer-GND" (solid, remove dead copper, pour order 166): 1433,3009.63 1433,1978.63 5104.5,1978.63 5104.5,3009.63
PGND on Signal Layer 1 "Top Layer-PGND" (solid, pour order 156): 5094,3369.13 1417.5,3369.13 1417.5,3011.63 5094,3011.63
UU on Signal Layer 1 "Top Layer-WW" (solid, pour order 140): 2537.5,1969.63 1568,1969.63 1568,1543.63 2537.5,1543.63
VV on Signal Layer 1 "Top Layer-WW" (solid, pour order 138): 3647.5,1969.63 2678.5,1969.63 2678.5,1543.63 3647.5,1543.63
WW on Signal Layer 1 "Top Layer-WW" (solid, pour order 136): 4762.65,1963.12 3793.65,1963.12 3793.65,1543.63 4762.65,1543.63
VBAT on Signal Layer 1 "Bottom Layer-VBAT" (solid, pour order 134): 4921.5,1534.13 4921.5,1838.63 5095.5,1838.63 5095.5,917.13 1431.5,917.13 1431.5,1534.13
no net on Signal Layer 1 "Signal Layer 1-No Net" (solid, pour order 40): 2306.18,3180
no net on Signal Layer 1 "Signal Layer 1-No Net 1" (solid, pour order 38): 2306.18,3190
GND on Signal Layer 2 "Bottom Layer-GND" (solid, remove dead copper, pour order 160): 1645.7,2454.99 1645.7,3031.13 1789,3031.13 5091.5,3031.13 5091.5,1980.13 1645.7,1980.13
PGND on Signal Layer 2 "Bottom Layer-PGND" (solid, pour order 142): 1635.5,2457.63 1696,2518.13 1696,3037.63 5091.5,3037.63 5091.5,3356.13 1434,3356.13 1434,1374.63 4908.26,1374.63 4907.73,1527.63 1666,1527.63 1635.5,1558.13
UU on Signal Layer 2 "Top Layer-WW" (solid, pour order 150): 2537.5,1969.63 1568.5,1969.63 1568.5,1405.63 2537.5,1405.63
VV on Signal Layer 2 "Top Layer-WW" (solid, pour order 148): 3647.5,1969.63 2678.5,1969.63 2678.5,1405.63 3647.5,1405.63
WW on Signal Layer 2 "Top Layer-WW" (solid, pour order 146): 4757.5,1969.63 3788.5,1969.63 3788.5,1405.63 4757.5,1405.63
VBAT on Signal Layer 2 "Bottom Layer-VBAT" (solid, pour order 144): 4921,1363.13 4921,1842.13 5094.5,1842.13 5094.5,975.63 1434,975.63 1434,1363.13

## Other copper
Top Layer:
  region net rc2: 2806.35,2176.04 2778.07,2204.33 2723.7,2149.96 2751.98,2121.67
  region net GND: 2767.38,2215.02 2739.1,2243.3 2684.73,2188.93 2713.01,2160.65
  region net rc1: 2728.41,2253.99 2700.12,2282.28 2645.75,2227.91 2674.04,2199.62
Bottom Layer:
  rectangle: 4899,2991.5 4928.5,3044
  rectangle net GND: 4869,2978.63 4952.5,3014.13
  rectangle net PGND: 4873.83,3022.63 4957.33,3054.63

## Silkscreen, mask and mechanical layers (free items; w line width, h text height)
Top Overlay:
  lines w7.87: 1930,2298 1915,2313 1915,2278 1935,2298 1935,2278 ; 1935,2288 1935,2313 ; 3626.56,2179.5 3646.56,2179.5 3626.56,2199.5 3661.56,2199.5 3646.56,2184.5 ; 3636.56,2179.5 3661.56,2179.5 ; 3840.5,2368 3825.5,2383 3825.5,2348 3845.5,2368 3845.5,2348 ; 3845.5,2358 3845.5,2383 ; 4035,2543.24 4020,2558.24 4020,2523.24 4040,2543.24 4040,2523.24 ; 4040,2533.24 4040,2558.24
  text "CH" at 2174.33,2978.63 h27.56 r180
  text "CL" at 2258.5,2978.63 h27.56 r180
  text "GND" at 1507.5,2970.74 h27.56 r270
  text "GND" at 1709,2970.74 h27.56 r270
  text "GND" at 1910.5,2970.74 h27.56 r270
  text "H3" at 1507.5,2875.74 h27.56 r270
  text "5V" at 1709,2875.74 h27.56 r270
  text "3V" at 1910.5,2875.74 h27.56 r270
  text "PPM" at 1709,2815.13 h27.56 r270
  text "nTX" at 1910.5,2814.13 h27.56 r270
  text "H2" at 1507.5,2795.74 h27.56 r270
  text "nRX" at 1910.5,2728.13 h27.56 r270
  text "H1" at 1507.5,2715.74 h27.56 r270
  text "3V" at 1709,2715.74 h27.56 r270
  text "5V" at 1507.5,2640.74 h27.56 r270
  text "A2" at 1709,2640.74 h27.56 r270
  text "TX" at 1910.5,2640.74 h27.56 r270
  text "VESC 75_200 V3.0" at 3513.5,2605 h40
  text "TMP" at 1507.5,2575.74 h27.56 r270
  text "RX" at 1910.5,2565.63 h27.56 r270
  text "A1" at 1709,2560.63 h27.56 r270
  text "D+" at 2269.5,2061.13 h27.56
  text "D-" at 2352.21,2061.13 h27.56
  text "GND" at 2422.5,2061.13 h27.56
  text "ON" at 5031,1821.63 h27.56 r90
Bottom Overlay:
  drawing of 3479 lines, arcs and shapes, not listed
  text "CH" at 2130.33,2978.63 h27.56 r180
  text "CL" at 2214.5,2978.63 h27.56 r180
  text "GND" at 1505.5,2897.96 h27.56 r270
  text "GND" at 1707,2897.96 h27.56 r270
  text "GND" at 1908,2897.96 h27.56 r270
  text "H3" at 1505.5,2834.63 h27.56 r270
  text "5V" at 1707,2833.63 h27.56 r270
  text "3V" at 1908,2831.63 h27.56 r270
  text "H2" at 1505.5,2758.13 h27.56 r270
  text "nTX" at 1908,2742.63 h27.56 r270
  text "PPM" at 1707,2741.63 h27.56 r270
  text "+1s" at 2755.87,2728.5 h40
  text "H1" at 1505.5,2682.13 h27.56 r270
  text "3V" at 1707,2675.13 h27.56 r270
  text "nRX" at 1908,2653.63 h27.56 r270
  text "5V" at 1505.5,2600.63 h27.56 r270
  text "A2" at 1707,2599.13 h27.56 r270
  text "TX" at 1908,2589.63 h27.56 r270
  text "A1" at 1707,2520.63 h27.56 r270
  text "RX" at 1908,2516.63 h27.56 r270
  text "TMP" at 1505.5,2502.96 h27.56 r270
  text "D+" at 2312.5,2061.13 h27.56
  text "D-" at 2395.21,2061.13 h27.56
  text "GND" at 2495,2061.13 h27.56
  text "ON" at 5031,1868.63 h27.56 r90
Top Solder:
  rectangle: 1826.85,1531.13 2276.85,1711.63
  rectangle: 2936.85,1531.13 3386.85,1711.63
  rectangle: 4046.85,1531.13 4496.85,1711.63
  rectangle: 4086.35,1076.35 4536.35,1256.85
  rectangle: 4105,3093.12 4555,3273.62
  rectangle: 1866.35,1076.35 2316.35,1256.85
  rectangle: 1885,3093.12 2335,3273.62
  rectangle: 2995,3093.12 3445,3273.62
  rectangle: 2976.35,1076.35 3426.35,1256.85
  lines w70: 3299.41,3135 3353.9,3189.49 ; 4198.82,3140 4253.31,3194.49
Bottom Solder:
  rectangle: 1644.5,3210.13 4940,3302.63
  rectangle: 1610,1007.13 4944,1126.63
Mechanical 1:
  lines w10: 1451.85,1164.14 ccw(c1648.7,1164.14) 1648.7,967.29 cw(c1648.7,1164.14) 1451.85,1164.14 ; 1451.85,1164.14 1451.85,3132.64 ; 1451.85,1164.14 1451.85,3132.64 ; 1451.85,3132.64 cw(c1648.7,3132.64) 1648.7,3329.49 ; 1451.85,3132.64 cw(c1648.7,3132.64) 1648.7,3329.49 ; 1451.85,3132.64 cw(c1648.7,3132.64) 1648.7,3329.49 ; 1451.85,3132.64 cw(c1648.7,3132.64) 1648.7,3329.49 ; 4877.05,967.24 ccw(c4877.05,1164.09) 5073.9,1164.09 ; 4877.05,967.24 ccw(c4877.05,1164.09) 5073.9,1164.09 ; 4877.05,967.24 1648.9,967.24 4877.05,967.24 ; 4877.2,3329.64 cw(c4877.2,3132.79) 5074.05,3132.79 ccw(c4877.2,3132.79) 4877.2,3329.64 ; 4877.2,3329.64 1648.7,3329.64 4877.2,3329.64 ; 5073.9,1164.09 5073.9,3132.79 5073.9,1164.09